# Altium PCB GN-1846-E-V2.PcbDoc (part 6 of 8) (continued)
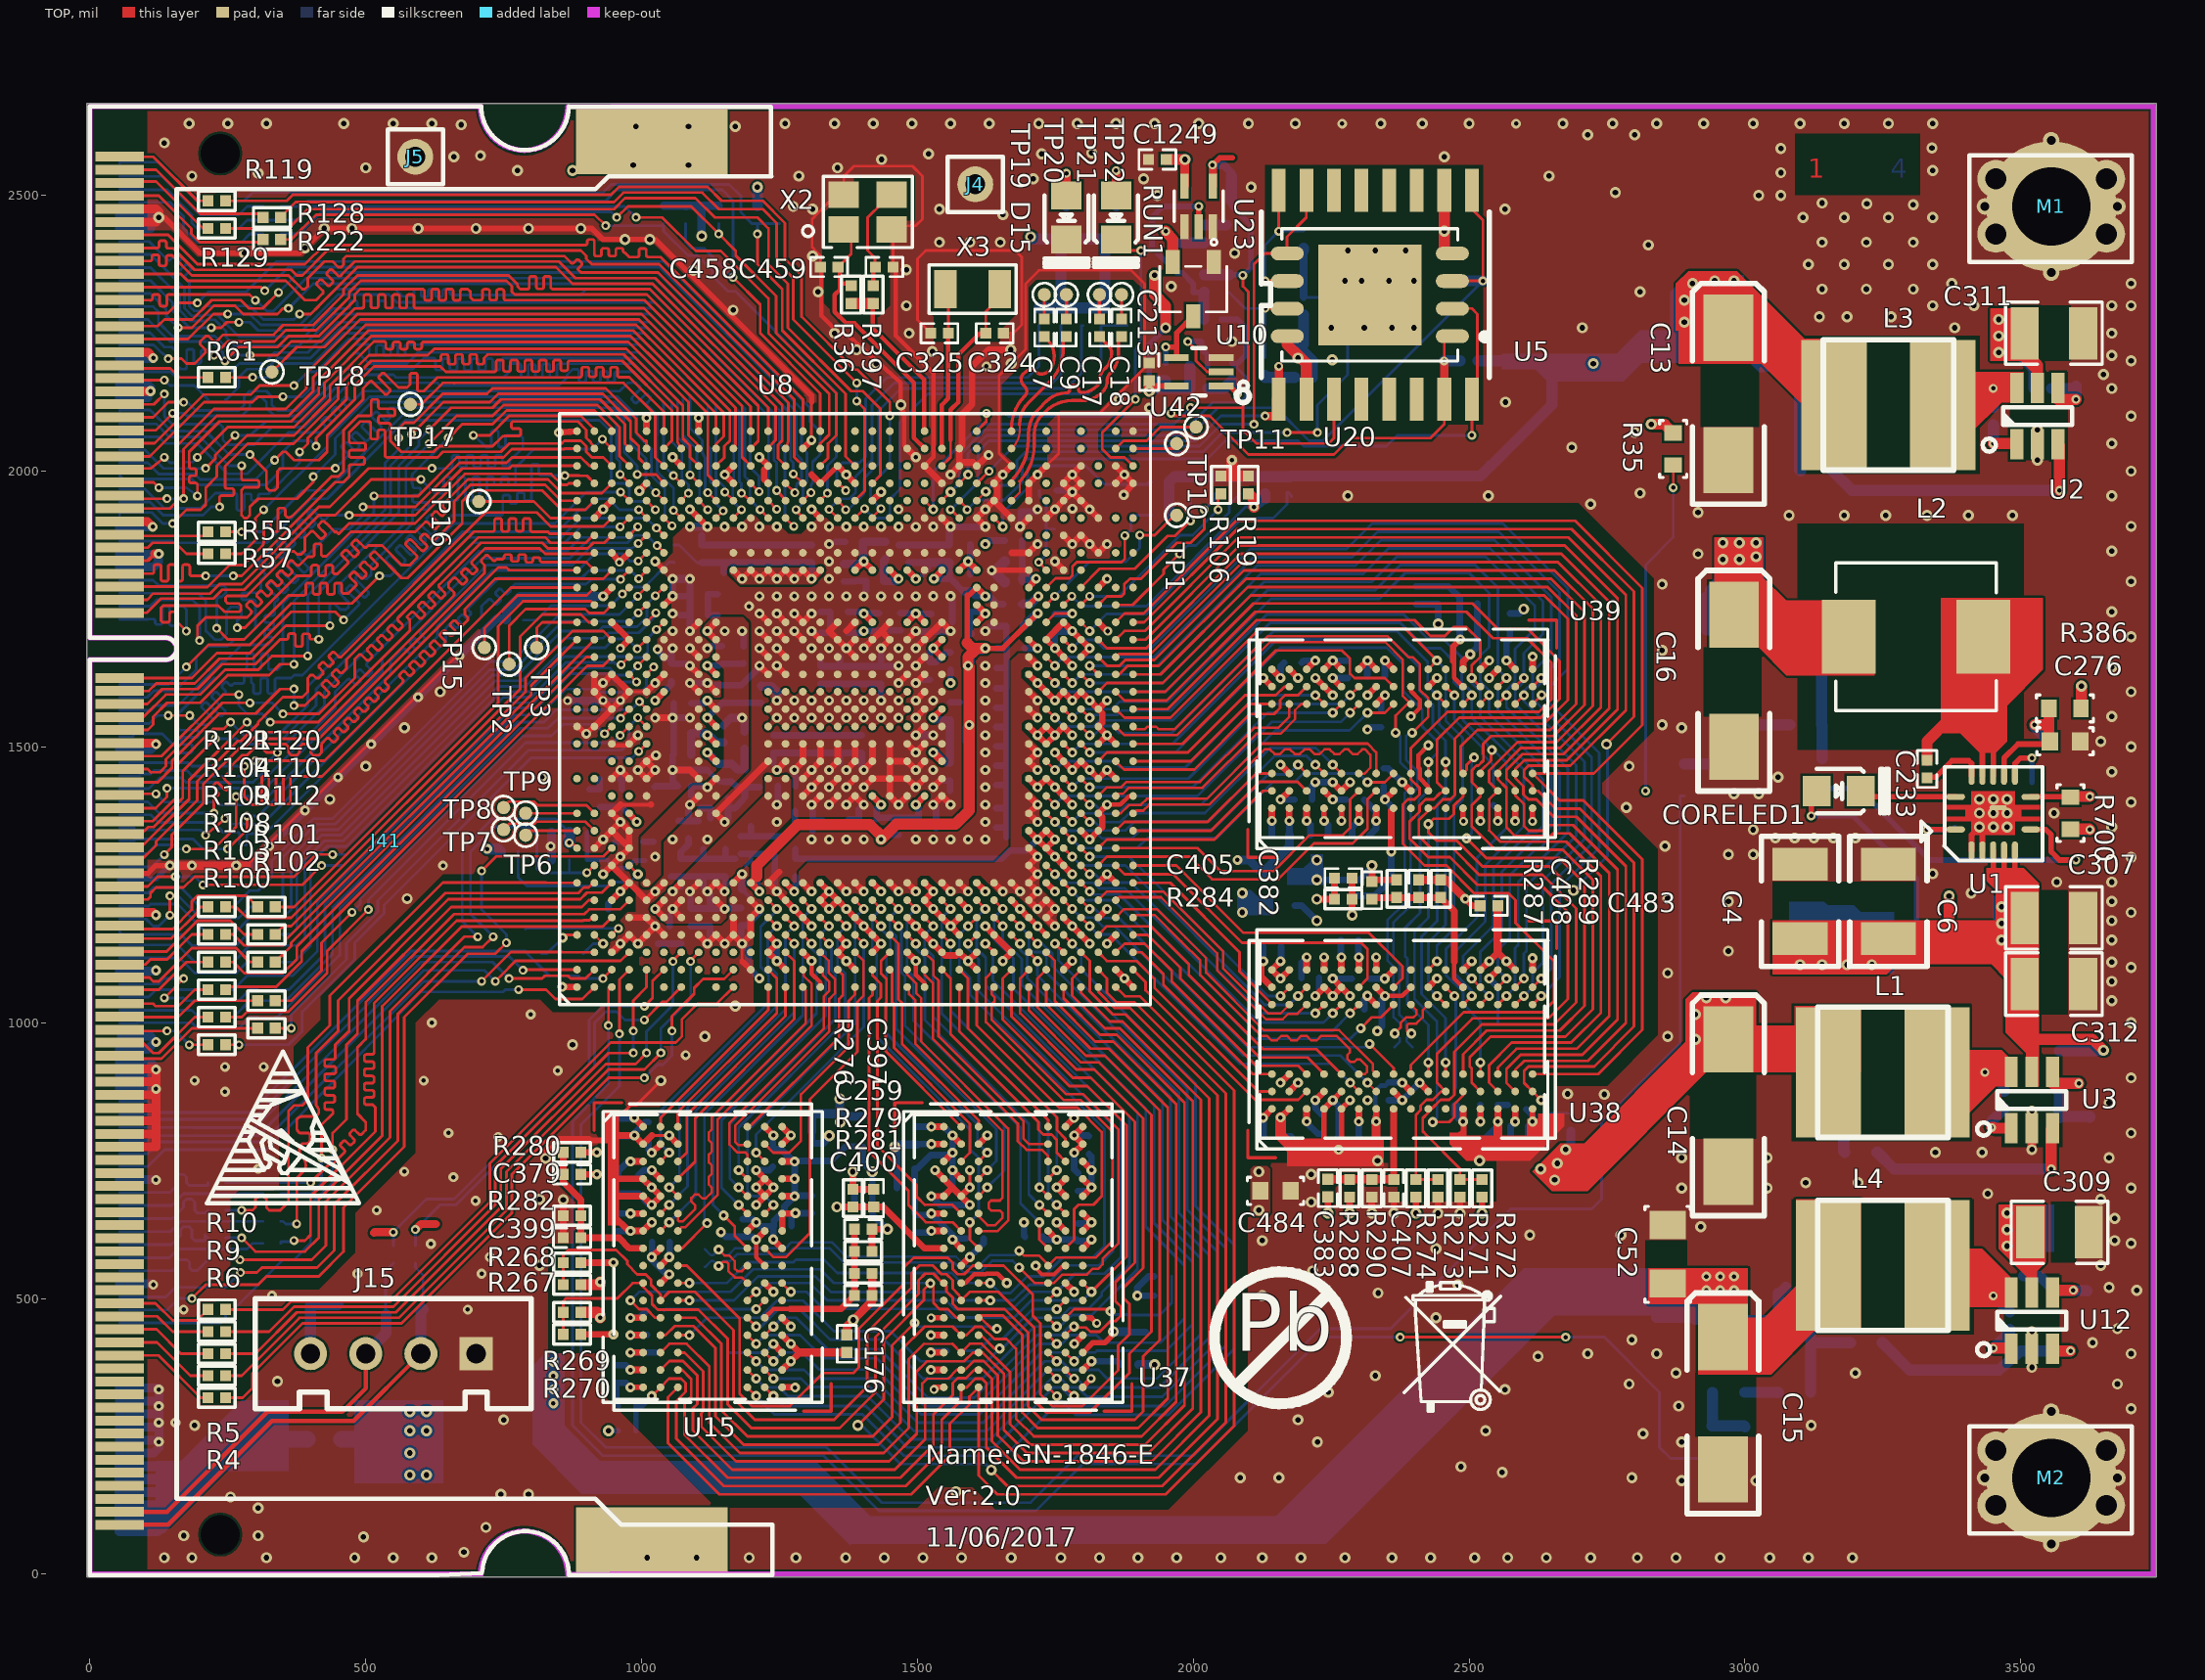
[diagram p0: TOP view]
## Nets (pads, with @x,y where several pads share a name; then routed paths per layer and width w, separated by ;. In a path a pad name is that pad's centre, name@x,y a point inside that pad or via, vN(x,y) a via of type N, cw(c..) or ccw(c..) an arc to the next point about the centre after c; other vN are vias at no path point) (continued)
  TOP w15: v1(145,1285) v1(185,1285) v1(265,1285) 285,1285 ; v1@665,1665 v1(670,1665) ; C176.2@1372,434 1372,449.36 v2(1383.72,461.08) 1417.82,495.18 C400.2@1417.82,505.48 R281.2@1417.82,545.48 ; C408.2@2408.52,1258.82 R289.2@2448.52,1258.82 2458.82,1258.82 v1(2492.92,1224.72)
  TOP w16: J41.145@54,774.72 120,774.72 120,798.35 ; J41.143@54,798.35 120,798.35 ; J41.141@54,821.97 120,821.97 ; J41.139@54,845.59 115,845.59 120,850.59 ; J41.137@54,869.21 120,869.21 ; J41.135@54,892.83 120,892.83 ; J41.133@54,916.46 120,916.46 v1(120,915) 120,892.83 ; J41.109@54,1199.92 v1@115.08,1199.92 ; J41.83@54,1507.01 117.99,1507.01 v1@119,1506 ; J41.57@54,1908.58 104.42,1908.58 v1(114,1899) ; J41.37@54,2144.8 109.8,2144.8 v1(110,2145) ; J41.31@54,2215.67 105,2215.67 115,2205.67 v1(115,2205) ; J41.11@54,2451.89 120,2451.89 120,2455 v2(125,2460) 125,2470.51 120,2475.51 J41.9@54,2475.51 ; v1@117.28,1850 v1@120,1850 ; 2177.5,772.5 2180,770 2263.48,770 2331.53,770 v1(2331.53,821.09) ; v2(3520,770) U3.2@3520,808.82 v2(3520,840) ; 120,798.35 120,821.97 ; 120,821.97 120,850.59 ; 120,850.59 120,869.21 ; 120,869.21 v1(120,880) 120,892.83
  TOP w18: v1@119,1506 v1(120,1505)
  TOP w20: R269.2@890,475 920,475 925,470 v1(925,465) ; R267.2@890,525 925,525 v1(925,530) ; R106.2@2050,1991 2070,1991 ; v1(2070,2020) 2070,1991 ; R19.2@2100,1991 2070,1991 ; v1(2158.31,828.1) 2158.31,795 2177.5,775.81 2177.5,772.5 ; U20.10@2455,2509.47 v2(2455,2435) 2455,2394.61 U5.4@2469.61,2394.61
  BOTTOM w5: v1@120,1093.62 v1(120,1095) ; 1155.99,401.99 1223.33,401.99 v1(1239.07,417.73) ; 2552.01,999.47 2552.01,1064.33
  BOTTOM w8: v3(930.27,1584.29) v3(961.75,1584.29) ; 1182.22,1241.78 1213.71,1210.29 v1(1213.71,1206.35) ; 1189,1285 1198,1294 C435.2@1198,1306 ; 2329.6,851 2329.6,876 2339.6,886 2348.86,886 C156.2@2354.48,891.62 ; v1(2615,820.83) 2619.65,820.83 2636.66,803.82 C472.2@2643.52,803.82
  BOTTOM w10: J41.128@54,975.51 J41.128@85,975.51 ; J41.104@54,1258.98 90,1258.98 91.99,1260.96 120,1260.96 144.04,1285 v1(145,1285) ; C147.2@954.83,346.98 954.83,308.17 C471.2@958,305 ; 1118.68,1458.32 1140,1437 C101.2@1149,1437
  BOTTOM w12: 924,1441.03 R39.1@924,1423 ; C80.2@939.5,1206.34 939.5,1215.59 v1(961.76,1237.85) ; C152.2@952.62,794.52 v1@985.93,794.52 ; 952.98,1328 C91.2@971,1328 ; C592.2@953.83,621.98 979.6,621.98 v1(980.09,622.47) ; C147.2@954.83,346.98 971.85,346.98 v1(979.83,339) ; C141.2@957.62,690.52 C142.2@993.62,690.52 1014.42,669.72 v1(1018.58,669.72) ; R8.1@964,1423 964.01,1441.02 ; v1(979.83,402) C148.2@1009.83,401.98 1030.83,401.98 ; v1(979.83,464.99) 995.84,464.99 R168.1@1008.83,477.98 ; C411.2@1013.02,820.02 1007.02,820.02 v1@987.1,800.1 ; C431.2@1023.61,1427.5 1025.11,1429 C200.2@1065.61,1429 ; v1(1024.74,1552.81) v1(1056.25,1552.8) ; v1(1029,1677) 1040,1661 1054,1661 ; 1030,1143 C460.2@1051,1143 1072,1143 ; v1(1050.08,575.21) 1051.02,576.15 C595.2@1051.02,602.02 ; v1(1056.23,1678.78) 1054,1676.55 1054,1661 ; v1(1056.25,1804.76) v1(1056.23,1773.28) 1084.28,1773.28 C90.2@1088,1777 ; C23.2@1058,1579.31 v1@1058,1554.55 ; C200.2@1065.61,1429 1056.24,1438.41 v1(1056.24,1458.32) ; 1069.98,1739 C426.2@1088,1739 ; C11.2@1085,1334 1085,1323.52 1071,1309.52 C82.2@1071,1297 C461.2@1112,1297 ; v1(1087.75,1552.81) v1@1058,1552.8 ; v1(1087.75,1615.79) v1(1119.22,1615.79) ; v1(1087.75,1647.28) 1084.03,1651 R219.2@1054,1651 1054,1661 ; 1088,1720.98 C426.2@1088,1739 ; v1@1088,1804.51 C90.2@1088,1777 ; C462.2@1089,1175 C89.2@1124,1175 1124,1148.12 v1(1119.24,1143.36) ; 1109,1884.02 C143.2@1109,1866 C135.2@1149,1866 C153.2@1189,1866 C430.2@1229,1866 C199.2@1269,1866 C175.2@1309,1866 ; 1112,1315.02 C461.2@1112,1297 ; 1118.68,1458.32 v1(1056.24,1458.32) ; v1(1119.22,1615.79) 1123.03,1612 C194.2@1146,1612 C424.2@1181,1612 1213.73,1644.73 v1(1213.73,1647.28) ; v1(1119.23,1678.79) 1123.44,1683 C427.2@1146,1683 ; v1(1143.82,620.48) 1152.28,612.02 C149.2@1183.02,612.02 1202.25,612.02 v1(1207.56,606.71) ; C101.2@1149,1437 1163.48,1437 1173.48,1427 C468.2@1187,1427 ; 1152,1315.02 C88.2@1152,1297 ; 1157,1370.98 C198.2@1157,1389 ; 1157,1407.02 C198.2@1157,1389 ; 1170.02,1297 C88.2@1152,1297 ; 1179.98,1306 C435.2@1198,1306 C434.2@1238,1306 1241.5,1302.5 C22.2@1241.5,1266 1241.5,1241.56 v1(1245.21,1237.85) v1(1276.7,1206.35) ; v1(1182.21,1143.36) 1180,1145.57 C83.2@1180,1176 1190,1176 1213.71,1199.71 v1(1213.71,1206.35) ; 1183,1403 1169,1389 C198.2@1157,1389 ; 1187,1408.98 C468.2@1187,1427 ; v1(1207.58,732.7) 1231.7,732.7 C404.2@1238.02,739.02 ; 1213.73,1426.82 1205.02,1427 C468.2@1187,1427 ; 1239,1470.98 C25.2@1239,1489 C98.2@1279,1489 C95.2@1319,1489 C96.2@1359,1489 ; v1(1245.21,1111.86) v1(1245.21,1143.36) ; C593.2@1272.02,631.02 1272.02,648.02 v1(1279,655) 1279.52,654.48 C594.2@1308.82,654.48 ; 1279,1315.02 R197.2@1279,1297 C583.2@1318,1297 C584.2@1353,1297 C394.2@1388,1297 C237.2@1423,1297 C586.2@1458,1297 C587.2@1495,1297 C238.2@1531,1297 C239.2@1567,1297 C240.2@1604,1297 C241.2@1643,1297 1651.98,1297 1666.98,1312 C564.2@1685,1312 1697.31,1312 v1(1717.65,1332.34) ; C456.2@1279,1429 1279,1447.02 ; 1308.82,802.48 C403.2@1308.82,781.48 1329.82,781.48 1340,791.66 v2(1340,795) ; 1310,1347.98 C81.2@1310,1366 ; 1310,1384.02 C81.2@1310,1366 ; 1324,1664.02 C388.2@1324,1646 C576.2@1359,1646 ; 1323.98,1707 C93.2@1342,1707 C62.2@1342,1745 1323.98,1745 ; 1328.02,1366 C81.2@1310,1366 ; 1350.98,1872 C92.2@1369,1872 ; 1359,1470.98 C96.2@1359,1489 ; 1359,1664.02 C576.2@1359,1646 ; C136.2@1367,1800 1385.02,1800 1388.98,1801 C61.2@1407,1801 1407,1782.98 ; 1375.98,1369 C125.2@1394,1369 1394,1386.63 v1(1402.7,1395.33) ; v1(1402.7,1458.32) 1399,1462.02 C97.2@1399,1489 C96.2@1359,1489 ; v1(1434.18,1678.77) C24.2@1434,1646 ; v2(1459,775) 1463,771 C496.2@1463,735 C478.2@1463,700 ; v1(1465.67,1647.28) 1464.39,1646 C24.2@1434,1646 ; 1465.98,1866 C206.2@1484,1866 C438.2@1521,1866 C204.2@1558,1866 v1@1558,1897.08 ; v1(1497.2,1710.29) 1498.49,1709 C417.2@1525,1709 1558.9,1709 v1(1560.18,1710.28) ; C588.2@1498.82,619.48 1522.1,619.48 v1(1525.09,622.47) ; C138.2@1498.82,779.48 v1(1525.09,779.95) ; 1504.18,1621.7 C151.2@1522.2,1621.7 ; v1(1524.2,402.08) 1527.12,405 R169.1@1553,405 ; v1(1525.09,685.47) 1541.08,669.48 C140.2@1563.82,669.48 1594.84,669.48 v1(1595.07,669.71) ; v1(1528.59,1395.33) 1534,1389.92 C395.2@1534,1371 1534,1352.98 ; 1540.98,1439 C124.2@1559,1439 1559,1420.98 ; C390.2@1559,1581 1577.02,1581 ; v1(1560.17,1773.28) 1563,1770.45 C470.2@1563,1745 1563,1726.98 ; v1(1560.19,1899.25) v1@1558,1897.08 ; v1(1595.08,575.21) 1620.02,600.15 C591.2@1620.02,609.02 ; v1(1623.17,1710.28) 1631.89,1719 C94.2@1661,1719 1661,1680 R198.2@1662,1679 ; v1(1623.16,1899.25) 1622.91,1899 C356.2@1596,1899 v1@1560.46,1899 ; 1642.98,1354 C243.2@1661,1354 ; 1642.98,1389 C244.2@1661,1389 ; 1642.98,1431 C242.2@1661,1431 ; 1642.98,1466 C245.2@1661,1466 ; 1642.98,1501 C246.2@1661,1501 ; 1642.98,1536 C578.2@1661,1536 ; 1642.98,1571 C582.2@1661,1571 ; 1642.98,1606 C392.2@1661,1606 ; 1643.98,1643 C581.2@1662,1643 ; 1643.98,1679 R198.2@1662,1679 ; 1661,1335.98 C243.2@1661,1354 ; v1(1686.15,1899.25) 1688,1901.1 C207.2@1688,1926.3 1713.21,1926.3 v1(1717.65,1930.74) ; C10.2@1688,1759 C10.2@1692,1759 ; v1(1693.14,638.22) 1693.14,613.9 C133.2@1695.02,612.02 ; v1(1749.14,1678.79) R253.1@1749,1709 1779.35,1709 v1(1780.64,1710.29) ; R40.1@1753,1965 1777.88,1965 v1(1780.64,1962.24) ; v1(1784.06,764.21) 1784.06,733.98 C100.2@1791.02,727.02 ; v1(1784.06,795.71) 1809.33,795.71 C401.2@1811.02,794.02 ; C589.2@1791.02,636.02 1813.37,636.02 v1(1815.54,638.19) ; R278.2@1880.02,439.02 1914.02,439.02 C398.2@1915.02,438.02 ; v1(2158.31,828.1) 2159.48,826.93 C164.2@2159.48,793.62 2177.5,793.62 ; v1(2158.31,1111.54) 2159,1112.23 C161.2@2159,1138 ; v1(2158.31,1625.06) 2158.31,1646.45 C590.2@2164.48,1652.62 ; v1(2174.05,1366.09) 2174.52,1365.62 C166.2@2174.52,1339.82 ; C486.2@2184,1212.5 2196.5,1212.5 v2(2224,1185) ; C171.2@2215.48,1404.62 2215.48,1430.28 v1(2221.3,1436.1) v1(2252.8,1436.08) ; v1(2221.3,1048.58) 2228,1055.28 C526.2@2228,1081 ; v1(2237.04,1366.09) 2244.52,1358.61 C165.2@2244.52,1339.82 ; v1(2252.8,859.57) 2263.48,848.89 C1253.2@2263.48,834.62 C159.2@2263.48,798.62 v1(2263.48,769.62) ; v1(2252.8,1080.06) 2253.04,1079.82 C167.2@2287.52,1079.82 ; v1(2252.8,1625.06) 2280.04,1625.06 C168.2@2280.48,1624.62 ; C160.2@2299.52,1149.82 2299.52,1119.08 v1(2300.05,1118.55) ; C172.2@2309.48,1404.62 2331.53,1382.57 v1(2331.53,1366.09) 2331.53,1351.53 C174.2@2320,1340 ; v1(2315.48,1531.62) 2319.48,1535.62 C170.2@2340.48,1535.62 ; C169.2@2315.48,1628.62 2315.48,1656.21 v1(2315.81,1656.54) ; v1(2331.53,821.09) 2332.02,820.6 C163.2@2332.02,794.83 ; v1(2333.52,984.82) 2341.98,993.28 C157.2@2341.98,1024.02 2341.98,1043.25 v1(2347.29,1048.56) ; C173.2@2344.98,1461.02 2353.85,1461.02 v1(2378.78,1436.09) ; C156.2@2354.48,891.62 2378.25,891.62 v1(2378.78,891.09) ; v1(2502.01,1667.83) 2514.98,1680.8 R286.2@2514.98,1721.02 2514.98,1755.02 C406.2@2515,1760 ; 2504,765 2552,813 v1(2552,820.83) C599.2@2552.02,850.83 2570.04,850.83 ; v1(2536.27,1080.07) 2552.01,1064.33 ; R170.1@2544,1394 2552,1386 v1(2552,1365.83) ; C525.2@2574,1742 2591,1742 v2(2599,1750) ; 2603.48,843 2615,831.48 v1(2615,820.83) 2607.02,812.85 C597.2@2607.02,795.83 ; 2632.48,776 2643.52,787.04 C472.2@2643.52,803.82 ; R39.1@924,1423 905.98,1423.01 R39.1@924,1423 ; v1@985.93,794.52 v1(987.1,795.69) v1@987.1,800.1 ; v1@985.93,794.52 986.21,795.88 v1@987.1,800.1 ; v1(1056.24,1458.32) 1056.24,1484.24 C428.2@1058,1486 C197.2@1058,1525 v1@1058,1551.05 ; v1(1056.25,1552.8) v1@1058,1554.55 ; v1(1056.25,1552.8) v1@1058,1551.05 ; v1(1056.25,1552.8) v1@1058,1552.8 ; v1@1058,1551.05 v1@1058,1552.8 ; v1@1058,1552.8 v1@1058,1554.55 ; C426.2@1088,1739 C90.2@1088,1777 ; C461.2@1112,1297 C88.2@1152,1297 ; C576.2@1359,1646 C387.2@1394,1646 C24.2@1434,1646 ; v1@1558,1897.08 v1@1560.46,1899 ; v1@1560.46,1899 v1(1560.19,1899.25) v1@1560.46,1899 ; C243.2@1661,1354 C244.2@1661,1389 ; C244.2@1661,1389 C242.2@1661,1431 ; C242.2@1661,1431 C245.2@1661,1466 ; C245.2@1661,1466 C246.2@1661,1501 ; C246.2@1661,1501 C578.2@1661,1536 ; C578.2@1661,1536 C582.2@1661,1571 ; C582.2@1661,1571 C392.2@1661,1606 ; C392.2@1661,1606 1662,1607 C581.2@1662,1643 ; C581.2@1662,1643 R198.2@1662,1679
  BOTTOM w13: v1(1182.21,1143.36) 1193.48,1132.09 1193.48,1100.6 v1(1213.71,1080.37)
  BOTTOM w14.29: v1(1087.75,1804.76) v1@1088,1804.51
  BOTTOM w15: v1(145,1285) v1(185,1285) v1(265,1285) 290,1285 v1(325,1320) v1(390,1385) v1(450,1445) v1(510,1505) v1(595,1590) v1(670,1665) 737.5,1732.5 751.5,1732.5 R703.2@754,1730 ; v3(866,1584) v3@925,1584 ; v1(1056.25,1804.76) v1(1087.75,1804.76) ; v1(1087.75,1899.27) v1(1119.22,1899.25) ; 1182.22,1241.78 v1(1182.22,1269.34) ; v2(1459,775) 1459.52,779.48 C138.2@1498.82,779.48 ; v1(1497.19,1521.31) v1(1528.59,1521.31)
  BOTTOM w16: J41.192@54,219.61 115,219.61 125,229.61 v1(125,240) v1@125,243.23 ; J41.190@54,243.23 v1@125,243.23 ; J41.188@54,266.85 v1@125,266.85 ; J41.186@54,290.47 125,290.47 ; J41.184@54,314.09 125,314.09 ; J41.182@54,337.72 125,337.72 v1(125,335) 125,314.09 ; J41.166@54,526.69 113.31,526.69 v1(115,525) ; J41.150@54,715.67 115,715.67 v1(120,715) ; J41.136@54,881.02 120,881.02 120,904.65 ; J41.134@54,904.65 120,904.65 ; J41.132@54,928.27 110,928.27 120,918.27 v1(120,915) 120,904.65 ; J41.130@54,951.89 105,951.89 118.11,965 v1(120,965) 120,965.51 110,975.51 J41.128@85,975.51 ; J41.118@54,1093.62 v1@120,1093.62 ; J41.84@54,1495.2 110,1495.2 119.8,1505 v1(120,1505) ; J41.64@54,1825.91 115,1825.91 124.09,1835 v1@124.09,1849.53 ; J41.62@54,1849.53 v1@124.09,1849.53 ; J41.58@54,1896.77 56.23,1899 v1(114,1899) ; J41.38@54,2132.99 105,2132.99 105,2140 v1(110,2145) 110,2151.61 105,2156.61 J41.36@54,2156.61 ; J41.32@54,2203.86 115,2203.86 v1(115,2205) ; J41.12@54,2440.08 110,2440.08 110,2445 v2(125,2460) 121.3,2463.7 J41.10@54,2463.7 ; v1(125,1850) 124.53,1849.53 v1@124.09,1849.53 ; R703.2@754,1730 755,1731 755,1748.26 780,1773.26 v1(930.25,1773.26) ; v1(835,1320) v1@837,1320 ; R689.2@837,1295 v1@837,1320 ; R80.2@837,1345 v1@837,1320 ; v1(961.76,1458.32) 961.76,1443.27 964.01,1441.02 ; 1308.82,802.48 1308.82,835 1359.02,835 ; v2(1359.02,862.02) 1359.02,835 ; C43.2@1401.02,830.52 1363.5,830.52 1359.02,835 ; C10.2@1692,1759 1693,1760 1706,1760 v1(1719,1773) ; v2(1855,440) 1879.04,440 R278.2@1880.02,439.02 ; C527.2@1901.02,380.02 v2(1930,380) ; v1(2080,1295) 2101.5,1295 C45.2@2129,1267.5 2129,1274.48 2174.52,1320 C166.2@2174.52,1339.82 ; R199.1@2476.02,849.83 2475,848.81 2475,834.84 v1(2489.01,820.83) ; v1@125,243.23 v1@125,266.85 ; v1@125,266.85 v1(125,275) 125,290.47 ; 125,290.47 v1(125,305) 125,314.09
  BOTTOM w20: v1(1635,1820) 1637,1820 v1@1639.5,1817.5 ; C5.2@1658,1799 v1@1639.5,1817.5 ; C467.2@1658,1836 v1@1639.5,1817.5
  other v1: 155,275 170,480 685,480 330,505 485,545 710,545 1714.5,559.47 725,575 618,599 520,660 699,677 659,720 570,730 305,735 740,793 650,800 2315.8,859.59 245,875 190,895 605,895 848,913 245,920 315,920 1080,941 620,1000 799,1015 1717.65,1174.86 640,1285 1056.26,1332.33 1119.24,1332.33 1308.2,1332.34 1339.7,1332.34 1371.19,1332.34 1402.69,1332.34 1497.18,1332.34 1528.67,1332.34 1560.17,1332.34 1591.67,1332.34 1623.16,1332.34 1812.16,1332.32 1623.16,1363.83 1623.16,1395.33 1623.16,1426.82 1749.14,1426.83 820,1445 1528.57,1458.32 1623.16,1458.32 1623.16,1489.82 1623.16,1521.31 1623.16,1552.81 1528.59,1584.3 1623.16,1584.31 1623.16,1615.8 1623.16,1647.3 1308.22,1678.78 1339.71,1678.78 1465.67,1678.77 1056.23,1710.28 1056.23,1741.78 1195,1755 1213.73,1773.27 1245.22,1773.27 1276.72,1773.27 1308.2,1773.27 1339.69,1773.26 1371.19,1773.26 1402.69,1773.26 1434.19,1773.26 1465.69,1773.26 1497.19,1773.26 1528.67,1773.28 1339.69,1804.76 1339.69,1836.28 1339.72,1867.77 1780.64,1867.75 1150.72,1899.25 1182.21,1899.25 1213.71,1899.25 1245.21,1899.25 1308.2,1899.25 1339.69,1899.25 1371.19,1899.25 1402.7,1899.26 1434.2,1899.24 1465.68,1899.25 1497.17,1899.22 1528.67,1899.24 1465.68,1930.76 1781,1932 1920,2115 1865,2130 1625,2190 2270,2630 2585,2630
  other v2: 135,30 185,30 320,30 480,30 550,30 620,30 1195,30 1280,30 1370,30 1440,30 1510,30 1580,30 1670,30 1760,30 1830,30 1900,30 1970,30 2050,30 2125,30 2195,30 2275,30 2360,30 2430,30 2510,30 2570,30 2640,30 2720,30 2805,30 2875,30 2955,30 3045,30 3115,30 3195,30 678,40 496,68 170,70 305,70 718,85 305,120 255,140 745,145 795,145 1570,150 2885,170 3020,170 2085,175 2155,175 2795,175 2560,185 2485,195 2225,240 2885,240 2815,255 2530,260 190,270 3120,270 750,280 2190,280 3700,300 2880,305 2245,330 2565,335 2790,345 3675,345 340,350 2330,360 2875,365 3200,365 3520,375 2625,395 2715,400 2840,400 3700,400 3630,420 2795,425 3520,440 3675,445 2440,465 2125,505 2335,510 3710,515 3660,520 2480,525 2216.48,550 2290,550 815,560 3645,560 2440,590 3700,600 2125,605 3670,605 2610,615 2775,615 2920,630 3670,645 2214,675 815,680 3645,680 3440,690 2885,700 3040,700 3700,700 3110,710 3205,710 2214,725 2334,750 2519,750 2885,755 3040,755 3660,755 3345,765 3430,765 3700,800 1360,820 3660,855 2745,870 2678.48,871 3700,900 875,960 1115,975 2860,975 3700,1000 1170,1030 3665,1040 3665,1075 2860,1090 3700,1100 3665,1110 2970,1130 3665,1150 3665,1185 3700,1200 2970,1220 3665,1220 575,1225 2860,1225 3410,1235 3565,1255 3665,1255 3340,1270 3700,1300 2970,1305 3015,1305 2855,1320 3055,1335 3090,1335 3125,1335 3160,1335 3200,1335 3015,1350 3450,1355 3475,1355 3665,1355 3425,1380 3475,1380 3560,1380 2785,1390 3700,1400 435,1405 3425,1405 3450,1405 3475,1405 2980,1415 3025,1415 3060,1445 3665,1455 500,1465 2790,1465 3700,1500 3645,1510 570,1535 2885,1535 2850,1540 3665,1555 635,1600 3700,1600 3665,1645 2850,1675 3700,1700 3665,1745 2850,1795 3700,1800 2915,1850 3665,1855 3700,1900 3080,1920 3180,1920 3255,1920 3330,1920 3405,1920 3485,1920 2915,1925 2720,1940 2280,1955 2535,1955 3665,1955 2810,1960 3700,2000 3530,2020 2686,2043 3665,2050 2800,2070 3530,2075 3700,2100 2566,2125 3665,2150 3650,2175 1425,2195 3700,2200 2252,2202 3665,2210 1527,2217 1390,2220 2070,2235 1350,2250 1485,2250 3665,2250 2250,2260 2310,2260 2360,2260 2400,2260 2705,2260 3380,2260 3135,2280 3185,2280 3265,2280 1166,2292 1480,2300 3340,2300 3415,2300 3665,2300 3700,2300 1320,2325 2810,2325 3140,2330 3220,2330 3305,2330 1960,2335 3375,2340 3700,2340 2275,2345 2305,2345 2355,2345 2400,2345 1094,2364 1480,2365 3115,2375 3180,2375 3260,2375 3340,2375 1310,2390 2075,2395 2280,2400 2330,2400 2385,2400 2825,2410 1540,2415 1595,2415 1650,2415 3140,2415 3220,2415 3305,2415 3105,2460 3180,2460 3260,2460 3340,2460 1655,2465 1310,2475 1540,2475 2565,2475 1275,2480 3305,2483 3221,2485 3140,2486 1935,2500 3025,2500 3065,2500 2765,2505 2105,2515 1710,2530 1910,2530 185,2535 1285,2535 2645,2535 305,2540 3065,2541 775,2545 3340,2545 500,2550 1355,2550 1435,2565 660,2570 2455,2570 708,2572 1520,2575 1725,2575 1816,2577 3065,2585 3339,2586 135,2595 2715,2610 2800,2610 1170,2625 673,2628 180,2630 250,2630 320,2630 460,2630 550,2630 620,2630 1260,2630 1350,2630 1420,2630 1490,2630 1560,2630 1630,2630 1720,2630 1790,2630 1860,2630 1930,2630 2010,2630 2100,2630 2185,2630 2340,2630 2415,2630 2500,2630 2670,2630 2760,2630 2840,2630 2925,2630 3015,2630 3100,2630 3180,2630 3260,2630 3340,2630
GPIO17_6: TP13.1 U8.C4 | length 185.3
  TOP w5: U8.C4@946.01,1159.1 957.91,1171 v3(958,1171)
  BOTTOM w5: TP13.1@790,1170 791,1171 v3(958,1171)
I2S2_MCLK/BOOT_SEL1: R60.1 R248.2 R323.1 U8.U31 | length 1576.2
  TOP w5: v3(1210,2430) 1210,2375 1255,2330 1255,2255 1370,2140 1370,2026.44 U8.U31@1386.95,2009.49
  BOTTOM w5: R60.1@246,2490 280,2490 295,2505 930,2505 945,2520 1159,2520 1180,2499 1180,2469 1200,2449 R248.2@1210,2449 ; v3(1210,2430) R248.2@1210,2449 ; R323.1@1250,2449 R248.2@1210,2449
I2S2_SD_TX/SLAVE_MODE: R7.1 R82.1 U8.U28 | length 796.4
  TOP w5: U8.U28@1386.95,1915.01 1403.94,1932 v3(1404,1932)
  BOTTOM w5: v3(1404,1932) 1421,1915 1442,1915 1450,1923 1450,1949 1468,1967 1468,2089 1519.14,2140.14 1810,2140.14 1832.86,2163 1832.86,2262 1834.82,2263.96 1839.73,2263.96 R7.1@1840,2264 R82.1@1880,2264
I2S3_SD_TX/PCIE_REFCLK_SEL: R368.1 R703.1 U8.D24 | length 334.4
  TOP w5: v3(965,1777) 977.02,1789.02 U8.D24@977.5,1789.02
  BOTTOM w5: R703.1@786,1730 810,1730 836,1756 944,1756 v3(965,1777) 978,1790 1005,1790 1050,1835 1058,1835 R368.1@1059,1834
JTAG_EN: R246.1 U8.AK22 | length 516
  TOP w4: U8.AK22@1796.4,1726.03 v1(1812.14,1710.29)
  BOTTOM w5: v1(1812.14,1710.29) 1842.85,1741 1915,1741 2089,1915 2145,1915 2170,1940 2170,1961.53 2172.47,1961.53 R246.1@2175,1959 ; R246.1@2175,1959 2178.08,1953.45 2178.08,1955.92 R246.1@2175,1959
JTAG_TCK: R106.1 U8.AK23 | length 354
  TOP w5: U8.AK23@1796.4,1757.53 1811.87,1773 v3(1812,1773) ; v3(2045,1930) 2045,1959 R106.1@2050,1959
  BOTTOM w5: v3(1812,1773) 1865,1773 1976,1884 1999,1884 v3(2045,1930)
JTAG_TDI: R37.2 U8.AK24 | length 297.7
  TOP w5: U8.AK24@1796.4,1789.02 1830.38,1823 1894,1823 1953.5,1882.5 1967,1882.5 1994.5,1910 v3(1995,1910)
  BOTTOM w5: v3(1995,1910) R37.2@1995,1959
JTAG_TDO: R94.2 U8.AM23 | length 321.6
  TOP w5: U8.AM23@1859.39,1757.53 1890,1757.53 1946.24,1813.76 1946.24,1821.24 v3(1975,1850)
  BOTTOM w5: v3(1975,1850) 1990,1865 2005,1865 2065,1925 2065,1939 R94.2@2085,1959
JTAG_TMS: R38.2 U8.AL23 | length 331.3
  TOP w5: U8.AL23@1827.89,1757.53 1843.36,1773 1870,1773 1875,1778 1875,1795 1885,1805 1905,1805 1970,1870 1995,1870 2020,1895 v3(2020,1930)
  BOTTOM w5: v3(2020,1930) 2040,1950 R38.2@2040,1959
JTAG_TRSTN: R19.1 R699.2 U8.AJ23 | length 497.5
  TOP w5: U8.AJ23@1764.9,1757.53 1764.9,1757.9 v3(1780,1773)
  TOP w20: R19.1@2100,1959 2100.66,1959 2109.66,1950 2109.66,1935.34 v3(2110,1935)
  BOTTOM w5: v3(1780,1773) 1798,1755 1915,1755 2095,1935 v3(2110,1935)
  BOTTOM w20: v3(2110,1935) 2125,1950 2130,1950 R699.2@2130,1959
MDCK: J41.168 R105.1 | length 167
  BOTTOM w5: J41.168@54,503.07 138.07,503.07 155,520 R105.1@214,520
MDCK/BOOTROM_SEL: R105.2 R688.1 R689.1 U8.B8 | length 1445
  TOP w5: v3(273,547) 303,547 312,556 412,556 443,587 443,671 558,786 558,1016 679,1137 712,1137 v3(731,1156) ; v3(901,1272) 914.09,1285.09 U8.B8@914.51,1285.09
  BOTTOM w5: R105.2@246,520 v3(273,547) ; v3(731,1156) 690,1197 690,1310 735,1355 795,1355 810,1340 810,1279 817,1272 869,1272 ; R688.1@869,1295 869,1272 ; v3(901,1272) 869,1272
MDIO: J41.170 U8.C9 | length 1563.1
  TOP w5: v3(185,500) 210,525 305,525 320,540 415,540 460,585 460,665 570,775 570,1010 685,1125 735,1125 v3(755,1145) ; v3(710,1275) 736.57,1301.57 931,1301.57 U8.C9@946.01,1316.58
  BOTTOM w5: J41.170@54,479.45 140.45,479.45 161,500 v3(185,500) ; v3(710,1275) 710,1205 755,1160 v3(755,1145)
MII_COL: TP12.1 U8.A4 | length 78.1
  TOP w5: v1(857,1154) 862.1,1159.1 U8.A4@883.01,1159.1
  BOTTOM w5: TP12.1@819,1125 828,1125 v1(857,1154)
MII_CRS: TP14.1 U8.B4 | length 66.1
  TOP w4: U8.B4@914.51,1159.1 v1(930.25,1143.36)
  BOTTOM w5: TP14.1@894,1125 912.36,1143.36 v1(930.25,1143.36)
NetC1_1: C1.1 J15.3 J41.201 R48.2 | length 787.2
  TOP w8: J41.201@54,113.31 140,113.31 321.69,295 458,295 500,337 J15.3@500,400
  BOTTOM w5: C1.1@537,470.3 537,479 C1.1@536,480 536,550 R48.2@550,564
  BOTTOM w20: J15.3@500,400 537,437 C1.1@537,470.3
NetC2_1: C2.1 J15.2 J41.203 R372.2 | length 846.8
  TOP w8: J41.203@54,89.68 54.32,90 142,90 330,278 478,278 J15.2@600,400
  BOTTOM w5: R372.2@590,564 590,556 605,541 604,540 C2.1@604,480
  BOTTOM w20: J15.2@600,400 600,476 C2.1@604,480
NetC7_2: C7.2 U8.AF33 | length 238.2
  TOP w6: U8.AF33@1670.41,2072.49 1670.41,2077.82 cw(c1752.93,2077.82) 1670.64,2084 cw(c1752.93,2077.82) 1670.79,2085.77 cw(c1752.93,2077.82) 1694.58,2136.17 ccw(c1685.96,2144.79) 1698.15,2144.79 ccw(c1685.96,2144.79) 1694.58,2153.42 1693.66,2154.34 cw(c1707.31,2168) 1688,2168 cw(c1697.66,2168) 1690.83,2174.83 1695.51,2179.51 cw(c1706.34,2168.69) 1706.34,2184 cw(c1706.34,2170.34) 1716,2180 1717.17,2178.83 ccw(c1724.28,2185.93) 1724.28,2175.89 ccw(c1724.28,2195.1) 1737.86,2181.51 1741.62,2185.27 1741.62,2185.39 ccw(c1701.21,2208.97) 1748,2208.97 ccw(c1706.89,2208.97) 1735.96,2238.04 C7.2@1730,2244
NetC9_2: C9.2 U8.AF32 | length 237.3
  TOP w4: U8.AF32@1670.41,2040.99 1672.17,2042.75 ccw(c1640.17,2074.74) 1685.36,2072.49 ccw(c1640.17,2074.74) 1685.42,2074.74 1685.42,2084
  TOP w6: 1685.42,2084 1685.42,2085.77 cw(c1739.08,2085.77) 1701.14,2123.72 1740.17,2162.75 ccw(c1682.63,2220.28) 1763.21,2208.97 ccw(c1682.63,2220.28) 1764,2220.28 1764,2236 1771,2243 C9.2@1770,2244